# Altium PCB Netscale48HD_Sensorbar_Master.PcbDoc (part 2 of 5)
Units mil, origin at the board's own origin, x right, y up, seen from the top; angles counter-clockwise.
Board outline 18271.78 x 661.42 mil, 6 copper layers (Top Layer, PWR_Layer, Top_Signal_Layer, Bottom_Signal_Layer, GND_Layer, Bottom Layer), stack 30.644 mil thick; 300 components, 206 nets, 1127 pads, 560 vias.
Unrouted connection lines stored in the file: 11.
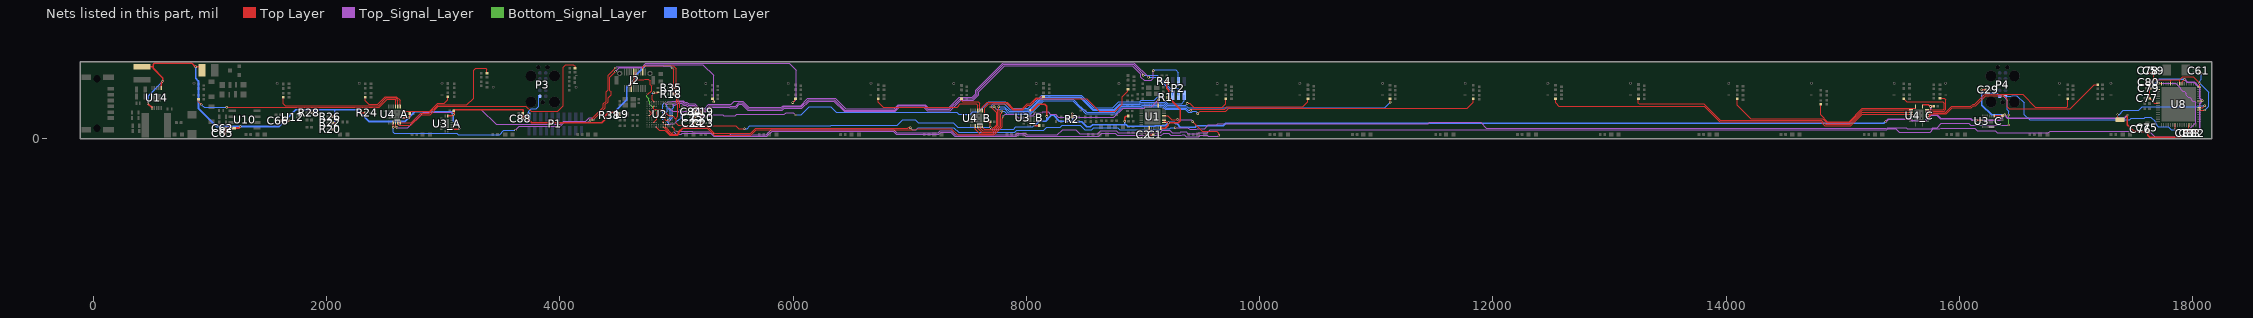
[diagram p6: the nets of this part, all layers, seen from the top]

## Part data
*1 *2: library part SYMBOL_R&M, Footprint/Package=2.54mm, Replaceable=no
C1 C3 C5 C7 C9 C21: library part Cap_10nF_0402, "10000pF ±10% 50V Keramikkondensatoren X7R 0402 (1005 metrisch) CL05B103KB5NNNC", Dielectric Grade=X7R, Footprint/Package=0402, Manufacturer="Samsung Electro-Mechanics", Manufacturer PartNr=CL05B103KB5NNNC, Supplier Part Number 1=1276-1028-2-ND, Tolerance=±10%, voltage=50V, Replaceable=yes, Supplier 1=Digi-Key
C2 C4 C6 C8 C10 C22 C87: library part Cap_2.2uF_0402_6.3V, "Multilayer Ceramic Capacitors MLCC - SMD/SMT 0402 2.2uF 6.3volts *Derate Voltage/Temp", Dielectric Grade=X5R, Footprint/Package=0402, Manufacturer=Murata, Manufacturer PartNr=GRM155R60J225ME15D, Supplier Part Number 1=81-GRM155R60J225ME5D, Tolerance=±20%, voltage=6.3V, ComponentLink1Description=digikey, ComponentLink1URL=https://www.digikey.com/product-detail/en/murata-electronics-north-america/GRM155R61E225ME15D/490-10457-2-ND/5027542, Replaceable=yes, Supplier 1=Mouser
C11: library part Cap_10pF_0402, "Multilayer Ceramic Capacitors MLCC - SMD/SMT 0402 10pF 50Volts C0G 1%", Dielectric Grade="C0G (NP0)", Footprint/Package="0402 (1005 metric)", Manufacturer PartNr=GJM1555C1H100FB01D, Manufracturer="Murata Electronics", Supplier Part Number 1=81-GJM1555C1H100FB01, Tolerance=1%, voltage=50VDC, ComponentLink1Description=mouser, ComponentLink1URL=https://www.mouser.ch/ProductDetail/Murata-Electronics/GRM155R60J475ME47D?qs=sGAEpiMZZMs0AnBnWHyRQIE6q%2f4qwWvwbJmEUwav8%2f4%3d, Replaceable=yes, Supplier 1=Mouser
C12 C16 C17: library part Cap_3.3nF_0402, "Multilayer Ceramic Capacitors MLCC - SMD/SMT 0402 3300pF 50volts X7R 5%", Dielectric Grade=X7R, Footprint/Package="0402 (1005 metric)", Manufacturer PartNr=GCM155R71H332JA37D, Manufracturer="Murata Electronics", Supplier Part Number 1=81-GCM155R71H332JA7D, Tolerance=5%, voltage=50VDC, ComponentLink1Description=mouser, ComponentLink1URL=https://www.mouser.ch/ProductDetail/Murata-Electronics/GRM155R60J475ME47D?qs=sGAEpiMZZMs0AnBnWHyRQIE6q%2f4qwWvwbJmEUwav8%2f4%3d, Replaceable=yes, Supplier 1=Mouser
C13 C14: library part Cap_15pF_0402, "Multilayer Ceramic Capacitors MLCC - SMD/SMT 0402 15pF 50Volts C0G 5%", Dielectric Grade="C0G (NP0)", Footprint/Package=0402, Manufacturer=Muarata, Manufacturer PartNr=GJM1555C1H150FB01D, Tolerance=±5%, voltage=50V, ComponentLink1Description=digikey, ComponentLink1URL=https://www.digikey.com/product-detail/en/murata-electronics-north-america/GJM1555C1H150FB01D/490-11191-6-ND/5333833, Replaceable=no
C15 C18: library part Cap_1.2nF_0402, "Multilayer Ceramic Capacitors MLCC - SMD/SMT 50V 1200pF C0G 0402 5%", Dielectric Grade=C0G, Footprint/Package="0402 (1005 metric)", Manufacturer PartNr=C0402C122J5GACTU, Manufracturer=Kemet, Supplier Part Number 1=80-C0402C122J5G, Tolerance=5%, voltage=50VDC, ComponentLink1Description=mouser, ComponentLink1URL=https://www.mouser.ch/ProductDetail/Murata-Electronics/GRM155R60J475ME47D?qs=sGAEpiMZZMs0AnBnWHyRQIE6q%2f4qwWvwbJmEUwav8%2f4%3d, Replaceable=yes, Supplier 1=Mouser
C19 C20 C23 C24 C25 C26 C27 C29 C44 C51 C52 C58 C62 C66 C76 C77 C78 C79 C80 C81 C82 C83 C88: library part Cap_0.1uF_0402, "SMD/SMT WCAP-CSGP 0.1uF 0402 20% 10V MLCC", Dielectric Grade=X5R, Footprint/Package=0402, Manufacturer="Wurth Electronics", Manufacturer PartNr=885012105010, Supplier Part Number 1=710-885012105010, Tolerance=20%, voltage=10VDC, ComponentLink1Description=mouser, ComponentLink1URL=https://www.mouser.ch/ProductDetail/Wurth-Electronics/885012105010?qs=sGAEpiMZZMs0AnBnWHyRQEGbLOF2VP1ihL84oCjXnlO407YOHi%2fQbw%3d%3d, Replaceable=yes, Supplier 1=Mouser, Supplier 2=Farnell, Supplier 3=Digi-Key, Supplier Part Number 2=2533928, Supplier Part Number 3=732-7487-1-ND
C28_A C28_B C28_C C30_A C30_B C30_C: library part CMP-1033-00660-1, "0.1µF ±10% 10V Ceramic Capacitor X5R 0402 (1005 Metric)", Case-EIA=0201, Case-Metric=0603, Manufacturer="Taiyo Yuden", Rated Voltage="6.3 V", Tolerance=±10%, Manufacturer PartNr=LMK105BJ104KV-F, Max Thickness="0.33 mm", Technology=SMT
C31_A C31_B C31_C C32_A C32_B C32_C C37_A C37_B C37_C C39_A C39_B C39_C C46_A C46_B C46_C C53_A C53_B C53_C C60_A C60_B C60_C C67_A C67_B C67_C: library part 706xx_R+M_InteliPhyII_KTI-00070-A.1, "220pF ±1% 50V Ceramic Capacitor C0G, NP0 0402 (1005 Metric)", Manufacturer="Murata Electronics", Manufacturer PartNr=GRM033R71E122KA01D
C33_A C33_B C33_C C35_A C35_B C35_C C38_A C38_B C38_C C42_A C42_B C42_C C49_A C49_B C49_C C56_A C56_B C56_C C63_A C63_B C63_C C70_A C70_B C70_C: library part 706xx_R+M_InteliPhyII_KTI-00069-A.1, "150pF ±1% 50V Ceramic Capacitor C0G, NP0 0402 (1005 Metric)", Manufacturer="Murata Electronics North America", Manufacturer PartNr=GRM1555C1H151FA01D
C34_A C34_B C34_C C36_A C36_B C36_C C40_A C40_B C40_C C43_A C43_B C43_C C50_A C50_B C50_C C57_A C57_B C57_C C64_A C64_B C64_C C71_A C71_B C71_C: library part 706xx_R+M_InteliPhyII_KTI-00023-A.1, "4.7pF ±0.05pF 50V Ceramic Capacitor C0G, NP0 0402 (1005 Metric)", Manufacturer="Murata Electronics North America", Manufacturer PartNr=GJM1555C1H4R7WB01D
C41 C45: library part Cap_1uF_0402, "SMD/SMT 0402 1uF 10volts X7S 10%", Dielectric Grade=X7S, Footprint/Package="0402 (1005 metric)", Manufacturer=Murata, Manufacturer PartNr=GCM155C71A105KE38D, Supplier Part Number 1=490-13409-1-ND, Tolerance=10%, voltage=10VDC, ComponentLink1Description=mouser, ComponentLink1URL=https://www.mouser.ch/ProductDetail/Murata-Electronics/GCM155C71A105KE38D?qs=sGAEpiMZZMsh%252b1woXyUXj0FEAttKcN54ouz5zO04smg%3d, Replaceable=yes, Supplier 1=Digi-Key
C47 C48: library part Cap_11pF_0402, "SMD/SMT 0402 11pF 50volts C0G 5%", Dielectric Grade="C0G (NP0)", Footprint/Package=0402, Manufacturer=Murata, Manufacturer PartNr=GRM1555C1H110JA01D, Supplier Part Number 1=81-GRM1555C1H110JA1D, Tolerance=5%, voltage=50VDC, ComponentLink1Description=mouser, ComponentLink1URL=https://www.mouser.ch/ProductDetail/Murata-Electronics/GRM1555C1H110JA01D?qs=%2fha2pyFadug34NHqLs7eMMmZ4IY%2fB%2fBwtGmZmE%252bqlNJIuNiWKDU4cio3ILTIjZ7Z, Replaceable=yes, Supplier 1=Mouser, Supplier 2=Digi-Key, Supplier 3=Farnell, Supplier Part Number 2=490-5923-6-ND, Supplier Part Number 3=2218837
C54 C55: library part Cap_15pF_0402, "Multilayer Ceramic Capacitors MLCC", Dielectric Grade=NP0, Footprint/Package=0402, Manufacturer=Muarata, Manufacturer PartNr=GJM1555C1H150FB01D, Tolerance=±1%, voltage=50V, ComponentLink1Description=digikey, ComponentLink1URL=https://www.digikey.com/product-detail/en/murata-electronics-north-america/GJM1555C1H150FB01D/490-11191-6-ND/5333833, Replaceable=no
C59 C85 C86: library part Cap_2.2uF_0402, "2.2µF ±20% 25V Ceramic Capacitor X5R 0402 (1005 Metric)", Dielectric Grade=X5R, Footprint/Package=0402, Manufacturer=Murata, Manufacturer PartNr=GRM155R61E225ME15D, Tolerance=±20%, voltage=25V, ComponentLink1Description=digikey, ComponentLink1URL=https://www.digikey.com/product-detail/en/murata-electronics-north-america/GRM155R61E225ME15D/490-10457-2-ND/5027542, Replaceable=yes
C61: library part Cap_1nF_0402, "1000pF ±20% 50V Ceramic Capacitor X5R 0402 (1005 Metric)", Dielectric Grade=X5R, Footprint/Package=0402, Manufacturer="TDK Corporation", Manufacturer PartNr=C1005X5R1H102M050BA, Tolerance=±20%, voltage=50V, ComponentLink1Description=digikey, ComponentLink1URL=https://www.digikey.com/product-detail/en/tdk-corporation/C1005X5R1H102M050BA/445-13843-6-ND/3959939, Replaceable=yes
C65: library part Cap_10uF_0402, "Multilayer Ceramic Capacitors MLCC - SMD/SMT", Dielectric Grade=X5R, Footprint/Package=0402, Manufacturer=Murata, Manufacturer PartNr=ZRB15XR61A106ME01D, Supplier Part Number 1=81-ZRB15XR61A106ME1D, Tolerance=20%, voltage=10VDC, ComponentLink1Description=mouser, ComponentLink1URL=https://www.mouser.ch/ProductDetail/Murata-Electronics/ZRB15XR61A106ME01D?qs=sGAEpiMZZMs0AnBnWHyRQN7%2fAA2D2lPPC0%2fdyv23S%2fU%252bBeuYI5b1UA%3d%3d, Replaceable=yes, Supplier 1=Mouser
C68 C69: library part Cap_470nF_0805_100V, "470nF, 100V, X7R, 10 %, Chip Monolithic Ceramic Capacitor for General, 0805 (metric 2012)", Dielectric Grade=X7R, Footprint/Package=0805, Manufacturer=Murata, Manufacturer PartNr=GRM21BR72A474KA73L, Supplier Part Number 1=81-GRM21BR72A474KA73, Tolerance="10 %", voltage="100 VDC", Replaceable=yes, ShortDescription="470nF, 100V", Supplier 1=Mouser
C72: library part CMP-2000-07534-1, "Chip Capacitor, 10 uF, +/- 20%, 100 V, -55 to 125 degC, 2220 (5750 Metric), RoHS, Tape and Reel", Manufacturer=AVX, Package Description="2-Pin Surface Mount Device, Body 5 x 5.7 mm", Package Reference=2220, Datasheet URL=http://datasheets.avx.com/X7RDielectric.pdf, Datasheet Version=03/2017, Manufacturer URL=http://www.avx.com/, Mounting Technology=SurfaceMount
C73: library part Cap_100uF_10V_1210, "Multilayer Ceramic Capacitors MLCC - SMD/SMT 1210 100uF 10volts *Derate Voltage/Temp", Dielectric Grade=X5R, Footprint/Package=1210, Manufacturer=Murata, Manufacturer PartNr=GRM32ER61A107ME20L, Supplier Part Number 1=81-GRM32ER61A107ME0L, voltage="10 V", Replaceable=yes, ShortDescription="100uF, 10V", Supplier 1=Mouser
C75 C84: library part Cap_4.7uF_0603, "SMD/SMT 0603 4.7uF 10volts", Dielectric Grade=X5R, Footprint/Package=0603, Manufacturer PartNr=GRM188R61A475KE15D, Manufracturer=Murata, Tolerance=20%, voltage=10VDC, Replaceable=yes
D1: library part Diode_SMAJ51A, "ESD Suppressors / TVS Diodes 51volts 5uA 4.9 Amps Uni-Dir", Footprint/Package="DO-214AC-2 (SMA)", Manufacturer=Bourns, Supplier Part Number 1=652-SMAJ51A, Manufacturer PartNr=SMAJ51A, Replaceable=yes, ShortDescription=SMAJ51A, Supplier 1=Mouser
D4 D5: "Thyristor Surge Protection Devices (TSPD) PxxxxS4xLRP Series SIDACtor Protection Thyristor 100A 25V Bi SOD", Footprint/Package=SOD-123FL, Manufacturer=Littelfuse, Supplier Part Number 1=576-P0080S4BLRP, ComponentLink1Description=mouser, ComponentLink1URL=https://www.mouser.ch/ProductDetail/Diodes-Incorporated/DESD3V3S1BL-7B?qs=%2fha2pyFaduhA707awRoRgtNXj1BWecNQPXz8CtVYm9O48rqwfwJI0g%3d%3d, Manufacturer PartNr=P0080S4BLRP, Replaceable=no, Supplier 1=Mouser, Supplier 2=Digikey, Supplier Part Number 2=P0080S4BLRPCT-ND
D6: library part "Surface Mount TVS Diode", "Surface Mount TVS Diode, 17 A Ipp, -55 to 150 degC, 3-Pin SOT23, RoHS, Tape and Reel", Capacitance @ Frequency=75pF@1MHz, Current - Peak Pulse (10/1000µs)=17A(8/20µs), Footprint/Package="DO-214AC-2 (SMA)", Manufacturer=Bourns, Operating Temperature=-55degC~150degC(TJ), Package / Case=TO-236-3,SC-59,SOT-23-3, Package Description="3-Lead Small Out-Line Transistor, Body 2.9x1.3mm, Pitch 0.95mm", Power - Peak Pulse=400W, Power Line Protection=No, Standard Package=1, Supplier Device Package=SOT-23-3, Voltage - Breakdown (Min)=7.5V,13.3V, Voltage - Clamping (Max) @ Ipp=14V,26V, Voltage - Reverse Standoff (Typ)=7V(Max),12V(Max), Applications=GeneralPurpose, Bidirectional Channels=2, Catalog Drawings=CDSOT23-SM712Schematic, Category=CircuitProtection, Datasheet URL=https://datasheet.ciiva.com/11193/cdsot23-sm712-11193846.pdf, Datasheet Version=Aug-12, Family=TVS-Diodes, For Use With=EVAL-CN0313-SDPZ-ND-EVALEMCRS-485CERTIFIED, Kits=PN-DESIGNKIT-22-ND-KITESD/EFTSURGEPROTECTION, Manufacturer URL=http://www.bourns.com/, Mounting Type=SurfaceMount, Online Catalog=CDSOT23Series, Other Names=CDSOT23-SM712CT, Packaging=CutTape(CT), Product Training Modules=ESDProtectionProducts, Related Products=ADM3485EARZ-REEL7TR-ND-ICTXRXRS-485HS3.3V8SOICADM3485EARZ-REEL7CT-ND-ICTXRXRS-485HS3.3V8SOICADM3485EARZ-REEL7DKR-ND-ICTXRXRS-485HS3.3V8SOICADM3485EARZ-ND-ICTX/RXRS-485HS3.3V8-SOICADM3485EAR-ND-ICTX/RXRS-485HS3.3V8-SOIC296-38503-5-ND-ICTXRXRS4853.3VESD14SOIC296-38501-5-ND-ICRS485TXRX3.3ESD8SOIC296-38522-5-ND-ICTXRXRS4853.3V14SOIC296-38502-5-ND-ICTXRXRS4853.3VESD14SOICADM3485EARZ-REELTR-ND-ICTXRXRS-4853.3V8SOICADM3485EARZ-REELCT-ND-ICTXRXRS-4853.3V8SOICADM3485EARZ-REELDKR-ND-ICTXRXRS-4853.3V8SOIC296-40517-2-ND-ICTXRXRS4853.3V14SOIC296-40517-1-ND-ICTXRXRS4853.3V14SOIC296-40517-6-ND-ICTXRXRS4853.3V14SOIC296-40519-2-ND-ICRS485TXRX3.3ESD8SOIC296-40519-1-ND-ICRS485TXRX3.3ESD8SOIC296-40519-6-ND-ICRS485TXRX3.3ESD8SOIC296-40524-2-ND-ICTXRXRS4853.3VESD8SOIC296-40524-1-ND-ICTXRXRS4853.3VESD8SOIC296-40524-6-ND-ICTXRXRS4853.3VESD8SOIC296-40522-2-ND-ICTXRXRS4853.3VESD14SOIC296-40522-1-ND-ICTXRXRS4853.3VESD14SOIC296-40522-6-ND-ICTXRXRS4853.3VESD14SOIC296-40529-2-ND-ICRS485TXRX3.3ESD8SOIC296-40529-1-ND-ICRS485TXRX3.3ESD8SOIC2, Replaceable=no, Series=-, Type=Zener, Unidirectional Channels=-
D7: library part SCHOTTKY-DIODE-1K-2A, "15MQ060N SCHOTTKY RECTIFIER", Manufacturer=SMC, Manufacturer PartNr=15MQ060N, ShortDescription=15MQ060N
FB1: library part FERRITE_2K2-100MHz_0603, "FERRITE BEAD 1 KOHM 0402 1LN", Manufacturer="Taiyo Yuden", Manufacturer PartNr=BK1005HS102-T
J1: library part CONN_Erni_6_214013, "Headers & Wire Housings 6P 1.27MM SNGL ROW R/A MALE BLK", Footprint/Package=1.27mm, Manufacturer=ERNI, Manufacturer PartNr=214013, Supplier Part Number 1=305-214013, ComponentLink1Description=mouser, ComponentLink1URL=https://www.mouser.ch/ProductDetail/ERNI/214013?qs=sGAEpiMZZMvMXbh32ZmHAMhEPQG9jaj7Ou3J%2fuOb4IQ%3d, Replaceable=no, Supplier 1=Mouser
J2: "Connector,Board to Board,DF12 Hirose DF12 Series, 0.5mm Pitch 20 Way 2 Row Straight PCB Header, Solder Termination, 0.3A", Manufacturer_Name=Hirose, Mouser Part Number=798-DF123520DP0.5V86, RS Part Number=6082064P, Supplier 1 Part Number 1=H5230TR-ND, Allied_Number=R1051072, Allied Price/Stock=http://www.alliedelec.com/hirose-electric-df12-3-5-20dp-0-5v-86-/R1051072/, Datasheet Link=https://www.hirose.com/product/en/download_file/key_name/DF12/category/Catalog/doc_file_id/31693/?file_category_id=4&item_id=23&is_series=1.pdf, Manufacturer_Part_Number=DF12(3.5)-20DP-0.5V(86), Mouser Price/Stock=https://www.mouser.com/Search/Refine.aspx?Keyword=798-DF123520DP0.5V86, RS Price/Stock=http://uk.rs-online.com/web/p/products/6082064P, Supplier 1=Digi-Key
L1 L2: library part 706xx_R+M_InteliPhyII_KTI-00029-A.1, "100nH Unshielded Multilayer Inductor 300mA 100 mOhm Max 0603 (1608 Metric)", Manufacturer="Taiyo Yuden", Manufacturer PartNr=HK1608R10J-T
L5 L6 L7 L8: library part "Ferrite Beads", "Chip Ferrite Bead", Manufacturer=Murata, Manufacturer PartNr=BLM18KG601SN1D, ShortDescription=BLM18KG601SN1D
L9: library part Ind_600R_0603, "Ferritperlen MULTILYR CHP BD 0603 600OHMS 25%", current=350mA, Footprint/Package=0603, Manufacturer="Taiyo Yuden", Manufacturer PartNr=BK1608HS601-T, Supplier Part Number 1=963-BK1608HS601-T, Tolerance=25%, Replaceable=yes, Supplier 1=Mouser
L10: library part "SMD power Inductor", "6.8uH, WE-MAIA SMD Power Inductor", Manufacturer=Würth, Manufacturer PartNr=78438357068, ShortDescription=6.8uH
LED1_A LED1_B LED1_C LED2_A LED2_B LED2_C LED3_A LED3_B LED3_C LED4_A LED4_B LED4_C LED5_A LED5_B LED5_C LED6_A LED6_B LED6_C LED7_A LED7_B LED7_C LED8_A LED8_B LED8_C: library part 706xx_R+M_InteliPhyII_KTI-00048-A.2, "Red 630nm LED Indication - Discrete 1.95V 2-SMD, No Lead", Manufacturer=Kingbright, Manufacturer PartNr=APA1606SURCK, ShortDescription="Description (used in sheet)"
LED9: library part APA1606VBC/D, "blue, 1.6 x 0.6 mm Right Angle SMD Chip LED Lamp", Footprint/Package="specific, see datasheet", Manufacturer=Kingbright, Supplier Part Number 1=754-2090-6-ND, ComponentLink1Description=mouser, ComponentLink1URL=https://www.mouser.ch/ProductDetail/Kingbright/APA1606VBC-D?qs=%2fha2pyFaduhFkLoQLKawdk3E%252bl3FgSOr3Fif4NOc1lJmKkWDM5WlaQ%3d%3d, Manufacturer PartNr=APA1606VBC/D, Replaceable=yes, Supplier 1=Digi-Key
P1: library part CONN_2X10_FTSH-110-01-F-DH, "20Pin, 2Rows, side/horizontally, MICRO LOW-PROFILE TERMINAL STRIPS", Footprint/Package="1.27 mm", Manufacturer=Samtec, Manufacturer PartNr=FTSH-110-01-F-DH, Supplier Part Number 1=SAM11236-ND, ComponentLink1Description=mouser, ComponentLink1URL=https://www.mouser.ch/ProductDetail/Samtec/FTSH-110-02-F-DH?qs=sGAEpiMZZMs%252bGHln7q6pm8Vn94ktop%2fJX5D4YaS%252bHqWex9Ov5NBeXw%3d%3d, Replaceable=no, Supplier 1=Digi-Key, Supplier 2=Farnell, Supplier 3=Mouser, Supplier Part Number 2=2856415, Supplier Part Number 3=200-FTS11002FDV
P2: library part CONN_2X03_FTSH-103-01-F-DH, "6Pin, 2Rows, MICRO LOW-PROFILE TERMINAL STRIPS", Footprint/Package="1.27 mm", Manufacturer=Samtec, Manufacturer PartNr=FTSH-103-01-F-DH, Replaceable=no
P3 P4: library part CONN_Segger_10_PIN, "Segger, J-Link 10-pin Needle Adapter"
R1: library part PassResBas0201-00654-A.2, "RES SMD 1K OHM 1% 1/16W 0402", Manufacturer=Yageo, #Class=Passiv-Components, #ClassSub="Resistor SMD", Manufacturer PartNr=RC0402FR-071KL, Status=nLager
R2 R3: library part PassResBas0201-00654-A.2, "RES SMD 1K OHM 1% 1/16W 0402", Manufacturer=Yageo, ValueAddON="0.05W 5%", #Class=Passiv-Components, #ClassSub="Resistor SMD", Manufacturer PartNr=RC0402FR-071KL, Status=nLager
R4: library part Res_DNP_0402, "Resistor: do not populate", Footprint/Package=0402, Manufacturer="do not populate", Manufacturer PartNr="do not populate", Replaceable=no
R5: library part PassResBas0402-00623-A.3, "10K 0.063W 1% 0402 (1005 Metric)  SMD", Footprint/Package=0402, Manufacturer=Yageo, Manufacturer PartNr=RC0402FR-0710KL, power=0.063W, Supplier Part Number 1=311-10.0KLRCT-ND, Tolerance=±1%, Replaceable=yes, Supplier 1=Digi-Key
R6_A R6_B R6_C R7_A R7_B R7_C R10_A R10_B R10_C R11_A R11_B R11_C R12_A R12_B R12_C R13_A R13_B R13_C R14_A R14_B R14_C R15_A R15_B R15_C: library part PassResBas0201-00055-A.2, "68 Ohms ±1% 0.125W, 1/8W Chip Resistor 0402 (1005 Metric) Pulse Withstanding Thick Film", Manufacturer="TE Connectivity Passive Product", #Class=Passiv-Components, #ClassSub="Resistor SMD", Manufacturer PartNr=CRGP0402F68R, Status=nLager
R8_A R8_B R8_C R9_A R9_B R9_C R17_A R17_B R17_C R19_A R19_B R19_C R21_A R21_B R21_C R23_A R23_B R23_C R25_A R25_B R25_C R27_A R27_B R27_C: library part PassResBas0201-00055-A.2, "620 Ohms ±1% 0.1W, 1/10W Chip Resistor 0402 (1005 Metric) Automotive AEC-Q200 Thick Film", Manufacturer="Panasonic Electronic Components", #Class=Passiv-Components, #ClassSub="Resistor SMD", Manufacturer PartNr=ERJ-2RKF6200X, Status=nLager
R16: library part Res_0R_0402, "0 Ohms Resistor 0402", Footprint/Package="0402 (1005 metric)", Manufacturer="Panasonic Electronic Components", Manufacturer PartNr=ERJ-2GE0R00X, power=100mW, Supplier Part Number 1=P0.0JCT-ND, Tolerance=-, Replaceable=yes, Supplier 1=Digi-Key
R18 R35: library part Res_1K_0402, "Thick Film Resistors - SMD CRGCQ 0402 1K0 1% SMD Resistor", Footprint/Package="0402 (1005 metric)", Manufacturer="TE Connectivity", Manufacturer PartNr=CRGCQ0402F1K0, power=1/16W, Supplier Part Number 1=A129627CT-ND, Tolerance=±1%, Replaceable=yes, Supplier 1=Digi-Key, Supplier 2=Mouser, Supplier Part Number 2=279-CRGCQ0402F1K0
R20 R22 R24 R26 R28 R33 R41 R42: library part Res_10K_0402, "SMD 10K ohm 1% 50V General Purpose", Footprint/Package=0402, Manufacturer=Yageo, Manufacturer PartNr=RC0402FR-1010KL, power=63mW, Supplier Part Number 1=603-RC0402FR-1010KL, Tolerance=1%, ComponentLink1Description=mouser, ComponentLink1URL=https://www.mouser.ch/ProductDetail/Yageo/RC0402FR-1010KL?qs=sGAEpiMZZMtlubZbdhIBIEgN9MQql2m6Sb2LnYlCICU%3d, Replaceable=yes, Supplier 1=Mouser
R29 R34: library part Res_10R_0603(1608), "Thick Film Resistors - SMD 1/4watt 10ohms 1% High Power AEC-Q200", Footprint/Package=0603, Manufacturer=Vishay, Manufacturer PartNr=CRCW060310R0FKEAHP, power="250 mW (1/4 W)", Supplier Part Number 1=71-CRCW060310R0FKEAH, Tolerance="1 %", voltage="75 V", Replaceable=yes, Supplier 1=Mouser
R30 R32: library part Res_0R_0402, "0 Ohms Jumper 0.1W, 1/10W Chip Resistor 0402 (1005 Metric) Automotive AEC-Q200 Thick Film", Footprint/Package=0402, Manufacturer="Panasonic Electronic Components", Manufacturer PartNr=ERJ-2GE0R00X, power=100mW, Tolerance=-, Replaceable=yes
R31: library part PassResBas0402-00405-A.3, "120 Ohms ±1% 0.063W, 1/16W Chip Resistor 0402 (1005 Metric) Automotive AEC-Q200, Moisture Resistant Thick Film", Manufacturer="TE Connectivity", Manufacturer PartNr=CRGCQ0402F120R, power=0.063W, Supplier Part Number 1=A129616CT-ND, Tolerance=1%, Supplier 1=Digi-Key
R36: library part PassResBas0402-00711-A.3, "60.4 kOhms ±1% 0.063W, 1/16W Chip Resistor 0402 (1005 Metric) Moisture Resistant Thick Film", Manufacturer=Yageo, Manufacturer PartNr=RC0402FR-0760K4L, power=0.063W, Tolerance=1%, Supplier 1=Digi-Key, Supplier Part Nummber 1=RC0402FR-0760K4L
R38: library part Res_100K_0402, "100 kOhm Resistor 0402", Footprint/Package=0402, Manufacturer=Vishay, Manufacturer PartNr=CRCW0402100KJNEDC, power=63mW, Tolerance=-, Replaceable=yes
R39: library part Res_51R_0402, "Resistor", Footprint/Package=0402, Manufacturer=Yageo, Manufacturer PartNr=RC0402JR-0751RL, power=62.5mW, Supplier Part Number 1=1799298, Tolerance=5%, ComponentLink1Description=mouser, ComponentLink1URL=https://www.mouser.ch/ProductDetail/Yageo/RC0402JR-0751RL?qs=sGAEpiMZZMtG0KNrPCHnjTtiZEI2zSDg2UFCMmEjZXQ%3d, Replaceable=yes, Supplier 1=Farnell, Supplier 2=Mouser, Supplier 3=Digi-Key, Supplier Part Number 2=603-RC0402JR-0751RL, Supplier Part Number 3=311-51JRDKR-ND
R40: library part Res_620R_0402, "SMD 1/16W 620ohm 0.5%", Footprint/Package=0402, Manufacturer=Susumu, Manufacturer PartNr=RR0510P-621-D, power=62.5mW, Supplier Part Number 1=754-RR0510P-621D, Tolerance=0.5%, ComponentLink1Description=mouser, ComponentLink1URL=https://www.mouser.ch/ProductDetail/Susumu/RR0510P-621-D?qs=sGAEpiMZZMu61qfTUdNhG%2fDhcyQpRg8MIBVoO7KVzPo%3d, Replaceable=yes, Supplier 1=Mouser, Supplier 2=Digi-Key, Supplier Part Number 2=RR05P620DDKR-ND
TVS1: library part Bourns_TBU-PL060-200-WH, "TBU-PL Series dual 50 ohm Surge Suppressors, bi-directional", Footprint/Package=DFN, Manufacturer=Bourns, Manufacturer PartNr=TBU-PL060-200-WH, Supplier Part Number 1=652-TBU-PL060-200-WH, Replaceable=no, Supplier 1=Mouser
U1: library part TexasInstruments_TRF7960ARHBT_32-VFQFN_32, Manufacturer="Texas Instruments", Manufacturer PartNr=TRF7960ARHBT
U2: library part "STM_STM32F412VEH6_UFBGA100 7x7x0.6_100", "STM32 Dynamic Efficiency MCU with BAM, High-performance and DSP with FPU, ARM Cortex-M4 MCU with 512 Kbytes Flash, 100 MHz CPU, Art Accelerator, DFSDM", Footprint/Package=UFBGA-100, Manufacturer=STMicroelectronics, Supplier Part Number 1=STM32F412VEH6-ND, ComponentLink1Description=mouser, ComponentLink1URL=https://www.mouser.ch/ProductDetail/STMicroelectronics/STM32L431VCI6?qs=%2fha2pyFadugH5aS8CDb9Mm3u%252bAbg7zIVJiWcYxu1pWKDX51qWwrkAQ%3d%3d, Manufacturer PartNr=STM32F412VEH6, Replaceable=no, Supplier 1=Digi-Key, Supplier 2=Mouser, Supplier Part Number 2=511-STM32F412VEH6
U3_A U3_B U3_C: library part NexperiaUSAInc_74AHC595,115_16-VFQFN_16, "IC 8BIT SHIFT REGISTER 16HVQFN", Manufacturer="Nexperia USA Inc.", Manufacturer PartNr=74AHC595BQ,115
U4_A U4_B U4_C: library part SN74CBTLV3251RGYR, "Multiplexer Switch ICs Sngl-Pole Dbl-Throw Analog Switch", Footprint/Package=VQFN-16, Manufacturer="Texas Instruments", Supplier Part Number 1=595-SN74CBTLV3251RGY, ComponentLink1Description=mouser, ComponentLink1URL=https://www.mouser.ch/ProductDetail/Texas-Instruments/SN74CBTLV3251RGYR?qs=%2fha2pyFaduj0jkaZeFbDsRaCQjjoxFIhZ%2frFxSESrMpT%252bYmeDnewIw%3d%3d, Manufacturer PartNr=SN74CBTLV3251RGYR, Replaceable=no, Supplier 1=Mouser, Supplier 2=Digi-Key, Supplier Part Number 2=296-15105-6-ND
U8: "AT91 ARM Cortex-M4 32-bit Microcontroller, 1MB Flash, 128KB SRAM, USB, 79 User I/Os, 64-Pin QFN, Industrial Grade (-40°C to 105°C), Pb-Free", Footprint/Package="QFN, 64-Leads, Body 9x9mm, Pitch 0.5mm, Thermal Pad 7.5x7.5mm, IPC Medium Density", Manufacturer=Atmel, Code_JEDEC=MO-220VMMD-3, ComponentLink1Description="Manufacturer URL", ComponentLink1URL=http://www.atmel.com/, ComponentLink2Description="SAM4S Series Datasheet", ComponentLink2URL=http://www.atmel.com/dyn/resources/prod_documents/11100.pdf, ComponentLink3Description="SAM4S Series Summary", ComponentLink3URL=http://www.atmel.com/dyn/resources/prod_documents/11100S.pdf, DatasheetVersion="revA, Oct-2011", Manufacturer PartNr=ATSAM4S16BA-MU, PackageDescription="64-Pin Quad Flat No-Lead (QFN) Sawn, 9 x 9 x 1.0 mm Body, 0.5 mm Pitch, Exposed Pad", PackageReference=64PS, PackageVersion="revJ, Jul-2007", Replaceable=no
U10: library part "RS_485 Transceivers", "1/1 Transceiver Half RS422, RS485 8-SOIC", Footprint/Package=8-SOIC, Manufacturer=TI, Supplier Part Number 1=296-31717-1-ND, Manufacturer PartNr=SN65HVD11DR, Replaceable=no, ShortDescription=SN65HVD11DR, Supplier 1=Digi-Key
U12: library part 74AHC1G125SE-7, "Buffer, Non-Inverting 1 Element 1 Bit per Element 3-State Output SOT-353", Footprint/Package=SOT353, Manufacturer="Diodes Incorporated", Supplier Part Number 1=SAM1104-03-ND, ComponentLink1Description=mouser, ComponentLink1URL=https://www.mouser.ch/ProductDetail/Samtec/BBL-103-G-E?qs=sGAEpiMZZMs%252bGHln7q6pm5ZHNJhTjtr3eyJKd0ZImQM%3d, Manufacturer PartNr=74AHC1G125SE-7, Replaceable=no, Supplier 1=Digi-Key, Supplier 2=Mouser, Supplier 3=Farnell, Supplier Part Number 2=200-SL103G12, Supplier Part Number 3=2019491
U14: library part "Linear_LT3991-3.3_10-Lead Plastic MSOP_11", "55V, 1.2A Step-Down Regulator with 2.8µA Quiescent Current", Manufacturer=Linear, Manufacturer PartNr=LT3991EMSE-3.3#PBF, ShortDescription=LT3991EMSE-3.3#PBF
Y1: library part CRYSTAL_4Pin_1_3_1, "13.56MHz ±10ppm Crystal 12pF 150 Ohms 4-SMD, No Lead", Manufacturer="Kyocera International Inc. Electronic Components", Manufacturer PartNr=CX2520DB13560H0FLJC1
Y2: library part ECS-240-10-36-CKL-TR, "Quarz 24MHz-10pF 10ppm-10C +70C", Footprint/Package="specific, see datasheet", Load Capacitance=10pF, Manufacturer=ECS, Supplier Part Number 1=520-240-10-36-CKLT, Manufacturer PartNr=ECS-240-10-36-CKL-TR, Manufacturer Part Number=ECS-240-10-36-CKL-TR, Replaceable=No, Supplier 1=Mouser
Y3: library part CRYSTAL_2Pin_ABM3-12.000MHZ-B2-T, "12MHz ±20ppm Crystal 18pF 60 Ohms 2-SMD, No Lead", Footprint/Package=2-SMD, Manufacturer="Abracon LLC", ComponentLink1Description=digikey, ComponentLink1URL=https://www.digikey.com/product-detail/en/abracon-llc/ABM3-12.000MHZ-B2-T/535-9100-2-ND/675295, Manufacturer PartNr=ABM3-12.000MHZ-B2-T, Replaceable=no, ShortDescription=12MHz
P5: Manufacturer=Pad_1mmx2mm, Manufacturer PartNr=Pad_1mmx2mm
U5_A U5_B U5_C U6_A U6_B U6_C U7_A U7_B U7_C U9_A U9_B U9_C U11_A U11_B U11_C U13_A U13_B U13_C U15_A U15_B U15_C U17_A U17_B U17_C: Replaceable=no

## Via types
v1: diameter 19.68, hole 11.81, Top Layer to Bottom Layer, tented both sides, 265 vias
v2: diameter 21.65, hole 11.81, Top Layer to Bottom Layer, tented both sides, 108 vias
v3: diameter 9.84, hole 3.94, Top Layer to Bottom Layer, tented both sides, 103 vias
v4: diameter 19.68, hole 7.87, Top Layer to Bottom Layer, tented both sides, 51 vias
v5: diameter 23.62, hole 11.81, Top Layer to Bottom Layer, tented both sides, 24 vias
v6: diameter 21.65, hole 11.81, Top Layer to Bottom Layer, tented bottom, 9 vias